# KiCad board sample013-sdi-mipi-video-converter.kicad_pcb (continued)
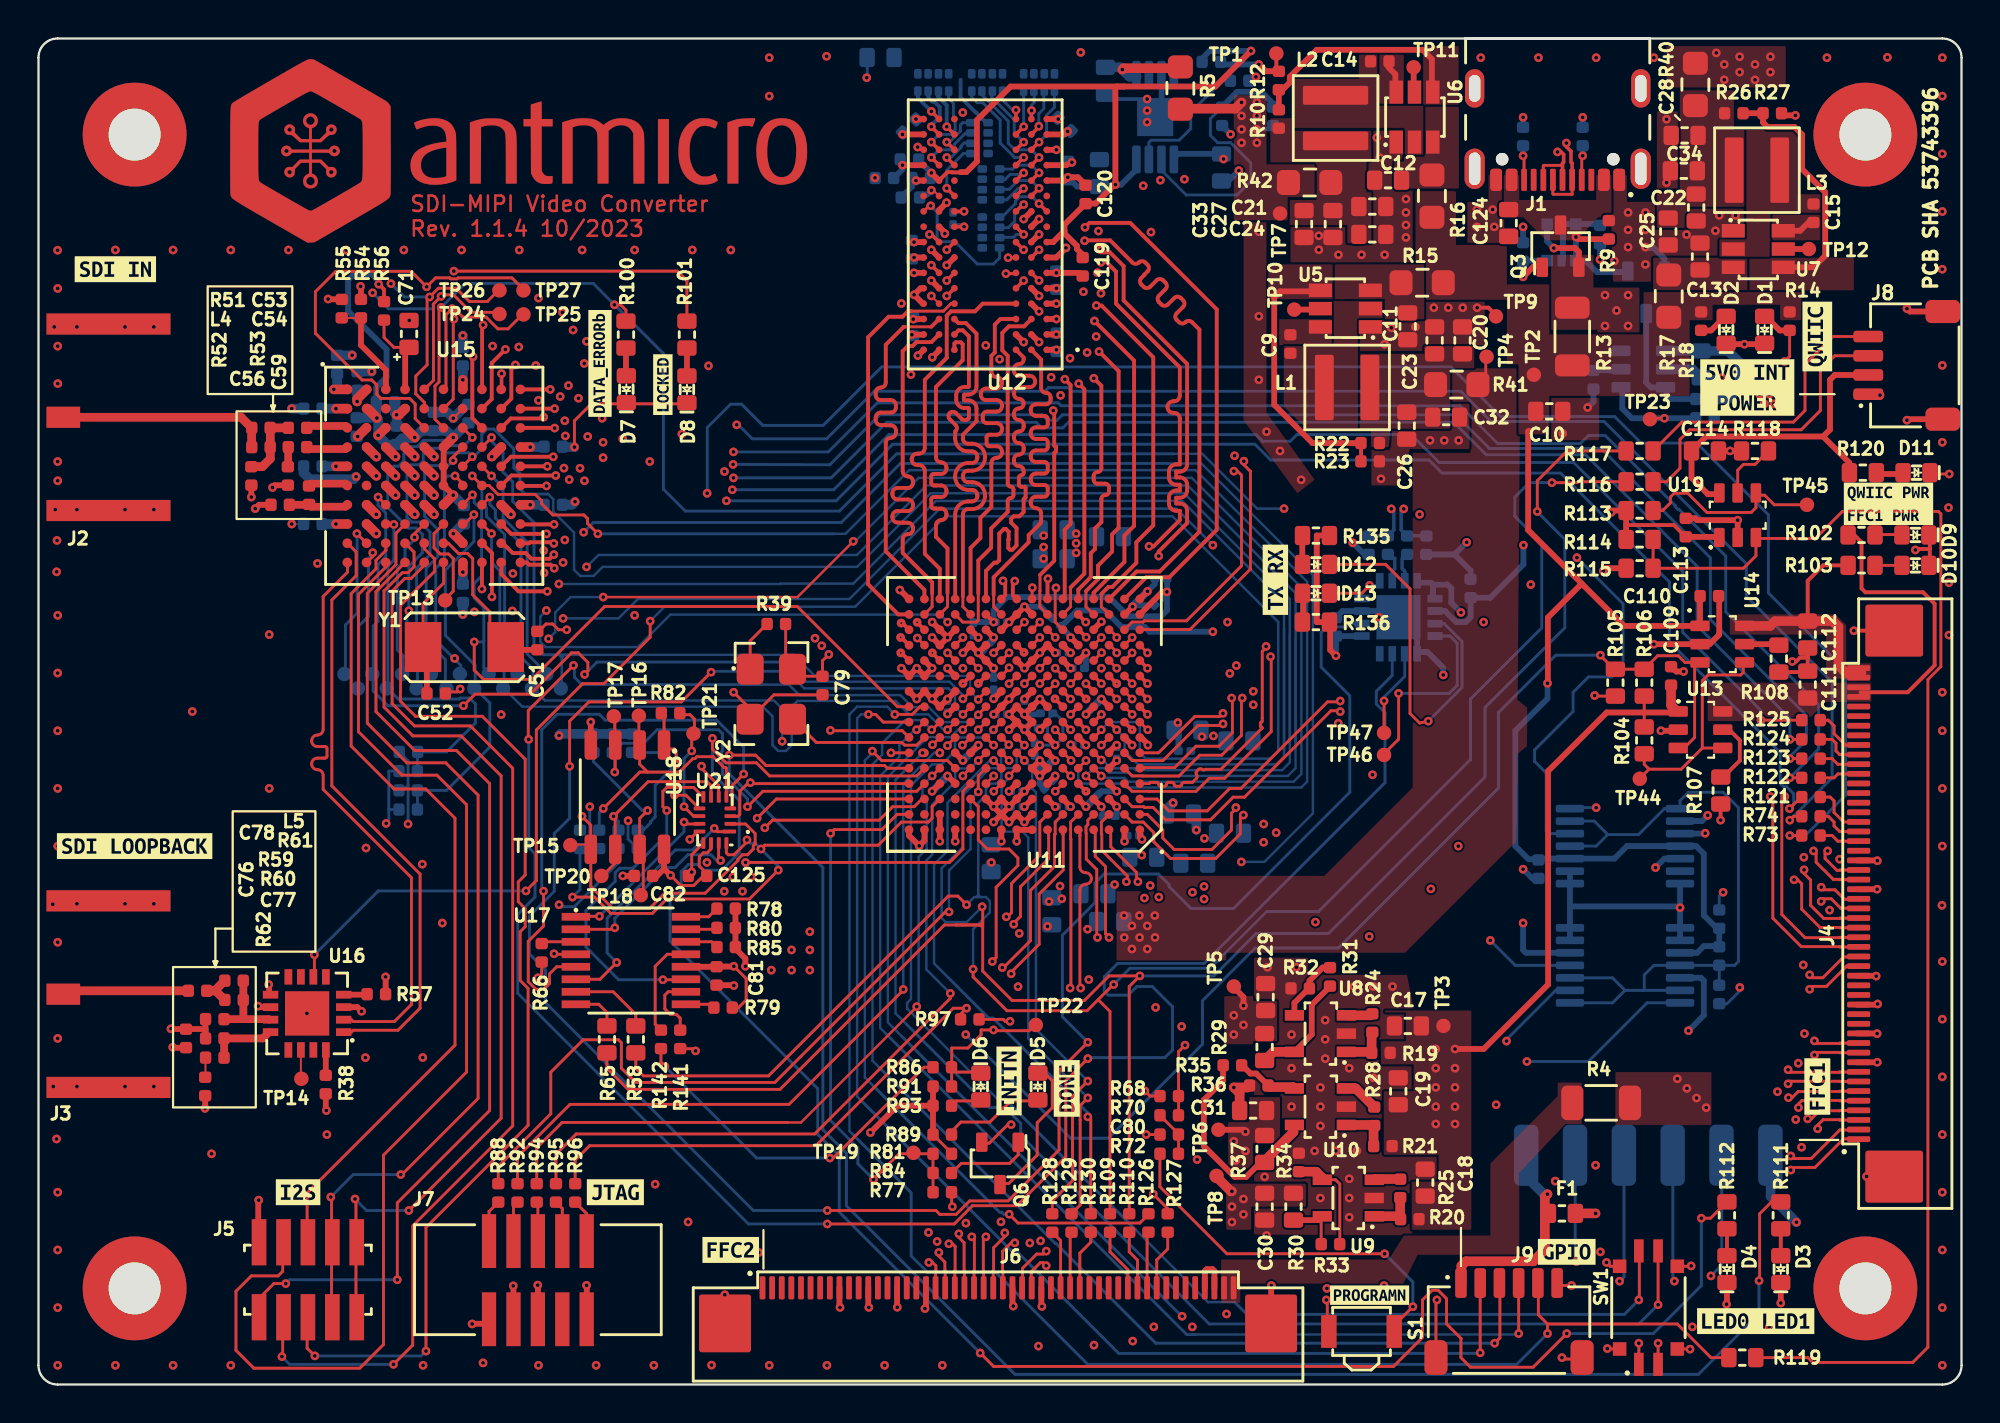
[diagram p0: board, top side]
## Routing (per net, layer and track width the routed paths; a pad name or vN(x,y) marks a point on that pad's centre or on a via; arc(x,y) is an arc through that point) (continued)
  In6.Cu w0.5: v1(56,62.4) 56,54 56.4,53.6 58.4,53.6 58.9,53.1 58.9,41.44
  Bottom w0.3: v1(63.05,69.35) 60.9,69.35 60.5,68.96 60.5,68.78 ; v1(56,62.4) 56.3,62.4 57.1,63.21 57.1,63.51 ; v1(58.68,41.22) 58.68,40.26 58.37,39.95 56.67,39.95 55.67,40.95 50.37,40.95 49.67,40.25 v1(49.67,39.65) 48.65,39.65 ; v1(58.68,41.22) 58.5,41.04 ; v1(58.68,41.22) 58.69,41.23 58.69,41.85 ; 45.78,63.67 v1(46.43,63.01) 46.43,62.8
Vtt: length 73.4
  In2.Cu w0.15: v1(86.8,29.6) 86.8,33.2 82.2,37.8 82.2,52.36 84.42,54.58 84.42,61.15 83.85,61.72 82.1,61.72 80.9,62.92 80.9,64.68 80.35,65.23 71.95,65.23 71.94,65.22 69.55,67.6 55.88,67.6 v1(54.2,69.28)
  Bottom w0.2: 47.95,67.85 47.95,66.94 48.74,66.15 48.75,66.15 49.28,65.62
  Bottom w0.3: v1(86.8,29.6) 86.5,29.3 U3.9
Net-(C77-Pad2): length 1
  Top w0.1: 8.69,17 8.69,16
Net-(C80-Pad2): length 2.4
  Top w0.15: 59.28,12 59.28,13 ; 59.28,13.03 58.31,14
Net-(D1-A): length 48.6
  Top w0.15: 91.06,54.82 91.06,53.46 v1(90.8,53.2)
  Top w0.3: 89.76,55.6 90.54,54.82 91.06,54.82
  In2.Cu w0.15: 85.36,24.86 86.06,24.86 88.6,27.4 88.6,43.2 87.43,44.37 87.43,51.61 88.19,52.37 89.97,52.37 v1(90.8,53.2)
  Bottom w0.3: 79.64,24.86 85.36,24.86 ; 79.64,24.86 79.64,26.7 ; 79.64,24.86 79.64,23.1 ; 85.36,24.86 v1(85.36,24.8) 85.36,23.1 ; 85.36,24.86 U3.14
Net-(D2-A): length 1.6
  Top w0.3: 86.46,54.82 86.97,54.82 87.76,55.6
Net-(D3-A): length 1.4
  Top w0.2: 90.6,6.75 R111.1
Net-(D4-A): length 1.4
  Top w0.2: 87.8,6.75 R112.1
Net-(D5-A): length 5.1
  Top w0.15: 51.97,14.75 50.57,14.75 49.47,13.65 47.97,13.65 47.48,13.17
Net-(D5-C): length 7.4
  Top w0.15: 52.27,16.25 52.72,15.8 52.72,14.4 51.94,13.62 51.94,11.94 50.45,10.45 50,10.45
Net-(D6-A): length 1.6
  Top w0.15: 49,14.75 47.73,14.75 47.48,14.5
Net-(D7-A): length 1.4
  Top w0.3: R100.1 30.55,52.53
Net-(D8-A): length 1.4
  Top w0.3: R101.1 33.72,52.5
Net-(D9-A): length 1.4
  Top w0.15: 96.85,44.2 95.52,44.2 R102.1
Net-(D10-A): length 1.3
  Top w0.15: R103.1 96.85,42.6
Net-(D11-A): length 1.4
  Top w0.3: 96.91,47.35 95.64,47.35 R120.1
Net-(D12-A): length 1.5
  Top w0.3: 65.72,42.65 65.72,44.1
Net-(D12-C): length 19.3
  Top w0.15: 67.22,42.65 70.05,42.65 71.32,41.38 71.32,34.9 71.82,34.4 v1(72.27,34.5)
  Bottom w0.15: 72.52,39.58 73.1,39.58 74.02,38.65 74.02,36.25 72.17,34.4 v1(72.27,34.5)
Net-(D13-A): length 1.5
  Top w0.3: 65.77,39.65 65.77,41.1
Net-(D13-C): length 2.8
  Top w0.15: v1(69.22,41.56) 68.81,41.15 67.22,41.15
  Bottom w0.15: 69.75,41.7 69.6,41.56 v1(69.22,41.56)
Net-(J1-CC_{1}): length 1.8
  Top w0.15: 80.25,62.65 80.25,63.85 v1(80.3,63.9)
  Bottom w0.3: v1(80.3,63.9) 80.3,64.42
Net-(J1-CC_{2}): length 1.8
  Top w0.15: 77.25,62.65 77.25,63.85 v1(77.2,63.9)
  Bottom w0.3: v1(77.2,63.9) 77.2,64.42
Net-(J4-Pad32): length 2
  Top w0.15: 94.57,28.26 93.56,28.26 93.27,28.55 92.66,28.55
Net-(J4-Pad33): length 2.4
  Top w0.15: 94.57,28.76 93.66,28.76 93.37,29.05 93.37,29.25 93.07,29.55 92.66,29.55
Net-(J4-Pad34): length 2.8
  Top w0.15: 94.57,29.26 93.87,29.26 93.37,29.75 93.37,30.35 93.17,30.55 92.66,30.55
Net-(J4-Pad39): length 2
  Top w0.15: 94.57,31.76 93.57,31.76 93.37,31.55 92.66,31.55
Net-(J4-Pad40): length 2
  Top w0.15: 94.57,32.26 93.57,32.26 93.57,32.25 93.27,32.55 92.66,32.55
Net-(J4-Pad41): length 2.5
  Top w0.15: 92.66,33.55 93.27,33.55 93.47,33.35 93.47,32.95 93.66,32.76 94.57,32.76
Net-(J4-Pad42): length 2.7
  Top w0.15: 92.66,34.55 93.07,34.55 93.37,34.25 93.37,33.85 93.97,33.26 94.57,33.26
Net-(J6-Pad32): length 3.1
  Top w0.15: 53.15,5.03 53.15,7.48 52.72,7.92
Net-(J6-Pad33): length 2.8
  Top w0.15: 53.65,5.03 53.65,7.84
Net-(J6-Pad34): length 3.1
  Top w0.15: 54.15,5.03 54.15,6.83 54.72,7.4 54.72,7.92
Net-(J6-Pad39): length 3.3
  Top w0.15: 56.65,5.03 56.65,5.97 55.72,6.9 55.72,7.92
Net-(J6-Pad40): length 3.1
  Top w0.15: 57.15,5.03 57.15,6.47 56.72,6.9 56.72,7.92
Net-(J6-Pad41): length 2.8
  Top w0.15: 57.65,5.03 57.65,7.84
Net-(J6-Pad42): length 3.1
  Top w0.15: 58.15,5.03 58.15,6.48 58.72,7.05 58.72,7.92
Net-(J7-Pad2): length 2.5
  Top w0.15: 23.43,7.23 23.43,9 23.91,9.48
Net-(J7-Pad4): length 2
  Top w0.15: 24.7,7.23 24.7,9.27
Net-(J7-Pad6): length 2.2
  Top w0.15: 25.97,7.23 25.97,9.42
Net-(J7-Pad8): length 2.4
  Top w0.15: 26.91,9.48 27.24,9.15 27.24,7.23
Net-(J7-Pad10): length 2.5
  Top w0.15: 27.91,9.48 28.51,8.88 28.51,7.23
Net-(J8-Pad3): length 15.4
  Top w0.15: 94.5,53.5 93.41,53.5 92.66,52.75 92.66,50.65 91.66,49.65 85.86,49.65 85.36,49.15 85.36,47.65 84.66,46.95 R116.2
Net-(J8-Pad4): length 14.4
  Top w0.15: 94.5,54.5 93.31,54.5 91.86,53.05 91.86,50.65 91.26,50.05 85.46,50.05 R117.2
Net-(Q1-D): length 6.8
  Bottom w0.3: 86.18,51.25 84.86,51.25 84.66,51.45 84.66,51.85 83.86,51.85 83.6,52.11 83.6,55.75
Net-(Q2-Pad2): length 7.7
  Bottom w0.15: 79.95,60.35 79.2,60.35 79.2,58.45 ; 81.2,60.29 80.01,60.29
  Bottom w0.3: 79.2,58.45 79.28,58.53 79.28,60.28 79.2,60.35 81.13,60.35
Net-(Q3-G): length 3.3
  Top w0.3: v1(77.2,57.6) 77.75,58.15 78.2,58.15
  Bottom w0.3: 77.2,58.42 v1(77.2,57.6) ; 78.45,58.45 77.23,58.45
Net-(Q6-G): length 4.5
  Top w0.15: 50.95,12.55 50.95,11.95 50.5,11.5 47.98,11.5 47.48,11
Net-(R72-Pad2): length 19.7
  Top w0.15: v1(71.47,4.05) 70.42,3 ; v1(70,6.8) 61.8,6.8 58.31,10.29 58.31,12
  Bottom w0.15: v1(71.47,4.05) 71.47,5.33 v1(70,6.8)
Net-(U1-DDQ): length 4.9
  Top w0.5: v1(56.36,68.38) 56.43,68.45 59.4,68.45
  Bottom w0.5: 57.1,68.01 56.73,68.01 v1(56.36,68.38) 56.24,68.5 C5.2
Net-(U1-REF): length 14.2
  Bottom w0.15: 58.41,63.14 59.69,61.86 62.32,61.86 63.04,62.58 63.04,63.53 61.99,64.58 61.32,64.58 60.94,64.96 60.94,65.83 61.54,66.44
  Bottom w0.3: 64.2,66.44 64.2,66.61 63.59,67.23 62.33,67.23 61.55,66.44
Net-(U1-V_{TT_EN}): length 6.9
  Bottom w0.15: 61.97,67.8 61.56,67.8 59.92,66.16 59.92,65.31 59.32,64.71 57.86,64.71 57.74,64.59 U1.7
Net-(U4-ILIM): length 1.4
  Bottom w0.3: 80.86,52.73 82.29,52.73
Net-(U5-EN): length 2.8
  Top w0.1: 66.66,55.9 65.26,55.9
  Top w0.3: 65.26,55.9 66.66,55.9
Net-(U5-FB): length 14.4
  Top w0.2: R22.1 68.78,48.96 68.78,48.02 R23.2
  Top w0.3: R22.1 66.25,48.96 64.26,50.95 64.26,56.55 64.56,56.85 66.66,56.85
Net-(U6-BST): length 1.5
  Top w0.3: 70.56,67.2 70.56,68.14 70.19,68.5
Net-(U6-EN): length 1.4
  Top w0.3: 71.51,67.2 71.51,68.55
Net-(U6-FB): length 12
  Top w0.3: 64.5,66.3 64.5,67.33 64.69,67.33 65.07,67.71 65.07,68.01 66.47,69.41 71.97,69.41 72.46,68.92 72.46,67.2
Net-(U7-BST): length 1.5
  Top w0.3: 90.76,60 91.61,60 92.06,60.45
Net-(U7-EN): length 1.4
  Top w0.3: 90.76,59.05 92.11,59.05
Net-(U7-FB): length 13
  Top w0.3: 90.76,58.1 92.31,58.1 92.91,58.7 92.91,62 91.71,63.2 91.71,65 91.31,65.4 89.91,65.4 89.68,65.64 89.68,66.11 88.65,66.11
Net-(U8-ADJ): length 3.5
  Top w0.3: 65.31,19.2 65.31,19.85 66.06,20.6 ; 66.09,20.6 66.09,21 66.78,21.69 67.16,21.69
Net-(U8-EN): length 1.4
  Top w0.5: 68.01,19.2 69.28,19.2 69.36,19.29
Net-(U8-V_{IN}): length 2.4
  Top w0.5: 69.32,18.28 69.32,17.25 69.28,17.3 68.01,17.3
Net-(U8-V_{OUT}): length 5.9
  Top w0.3: 67.16,20.7 66.21,19.75 66.21,18.2 65.31,17.3
  Top w0.5: R29.1 64.21,17.3 65.31,17.3
Net-(U9-ADJ): length 5.6
  Top w0.15: U9.4 67.45,10.65 67.67,10.43 67.67,7.3
  Top w0.5: R34.2 66.44,11.07 66.76,10.75 U9.4
Net-(U9-EN): length 1.4
  Top w0.5: 70.81,10.69 69.5,10.69 69.46,10.65
Net-(U9-V_{IN}): length 2.5
  Top w0.5: 69.46,8.75 70.68,8.75 70.82,8.6 ; 70.81,9.72 70.81,8.62
Net-(U9-V_{OUT}): length 3
  Top w0.15: 66.7,7.3 66.7,8.69
  Top w0.3: U9.5 66.56,8.55 R30.1
Net-(U10-ADJ): length 3.1
  Top w0.3: 63.94,15.55 63.32,16.17 63.03,16.17 62.6,16.6
  Top w0.5: 64.01,15.47 65.25,15.47 65.31,15.4
Net-(U10-EN): length 1.8
  Top w0.5: 69.46,14.44 68.5,15.4 68.01,15.4
Net-(U10-V_{IN}): length 2.4
  Top w0.5: 69.43,12.4 69.43,13.43 ; 68.01,13.5 69.43,13.5
Net-(U10-V_{OUT}): length 10.9
  Top w0.3: 63.55,11.55 62.8,10.8 62.2,10.8 60.6,12.4 60.6,14.8 61.6,15.8 61.6,16.6
  Top w0.5: R37.1 63.76,11.63 65.26,13.13 65.26,13.25
Net-(U12A-ZQ): length 1.3
  Top w0.1: U12.L8 46.53,62.11 v1(46.43,62.11)
  Bottom w0.3: 45.83,61.73 45.98,61.89 46.21,61.89 v1(46.43,62.11)
Net-(U13-ILIM): length 3.1
  Top w0.2: 87.92,34.05 88.47,33.5 88.47,32.45 87.57,31.55
Net-(U13-~{FAULT}): length 12.1
  Top w0.15: 83.75,32 85.42,32 86.52,33.1 ; 83.75,32 83.3,31.55 ; 83.75,32 83.5,32.25 R104.2 ; 87.52,33.1 86.52,33.1 ; 86.52,33.1 86.52,36.6 86.82,36.9 88.52,36.9 88.65,37.03 88.65,37.55
Net-(U14-ILIM): length 1.8
  Top w0.3: 88.65,38.5 90.45,38.5
Net-(U15B-LB_CONT): length 5.3
  Top w0.1: 16.77,55.47 15.77,55.47
  Top w0.3: 18.07,51.75 18.07,52.75 16.77,54.05 16.77,55.47
Net-(U15B-LF): length 1.4
  Top w0.5: v1(16.57,51.12) 16.57,51.25 17.07,51.75
  Bottom w0.5: v1(16.57,51.12) 16.57,51.69
Net-(U15B-VBG): length 1.6
  Top w0.5: 16.07,51.75 v1(15.36,51.75)
  Bottom w0.5: v1(15.36,51.75) 15.53,51.92 15.53,52.56
Net-(U15B-XTAL_OUT): length 5
  Top w0.15: 21.07,44.75 20.57,44.25 20.57,43.51 20.89,43.19 21.33,43.19 21.57,42.95 21.57,41.26 21.15,40.84
Net-(U15C-VCO_{VDD}): length 4.7
  Top w0.15: 17.97,55.35 17.97,54.45 18.48,53.94 C71.1
  Top w0.3: C71.1 19.07,53.73 19.07,51.75
Net-(U16-RSET): length 1.1
  Top w0.3: 15.94,20.28 17.06,20.28
Net-(U16-~{EQ_EN}): length 1.2
  Top w0.3: 14.94,16.09 14.94,17.32
Net-(U16-~{OSP}): length 1.3
  Top w0.1: 13.64,17.33 13.64,15.98
Net-(U17-A0): length 1.8
  Top w0.15: 33.58,23.03 35,23.03 35.28,22.75
Net-(U17-A1): length 1.6
  Top w0.15: 33.58,23.68 35.2,23.68
Net-(U17-A2): length 1.9
  Top w0.15: 33.58,24.33 34.85,24.33 35.28,24.75
Net-(U17-GPIO2/~{SS2}): length 3.4
  Top w0.15: 33.58,20.43 32.75,20.43 32.57,20.25 32.57,19.54 32.86,19.25 33.17,19.25 33.37,19.05 33.37,18.44
Net-(U17-GPIO3/~{SS3}): length 5.2
  Top w0.15: 32.37,18.44 32.07,18.73 32.07,21.75 32.69,22.38 33.58,22.38
Net-(U17-SCL): length 2.7
  Top w0.15: 29.56,18.44 29.56,19.35 29.14,19.78 27.94,19.78
Net-(U17-SDA): length 4.2
  Top w0.15: 27.94,20.43 29.89,20.43 31.06,19.25 R58.1
Net-(U17-~{INT}): length 1.4
  Top w0.15: 34.94,19.78 33.58,19.78
Net-(U17-~{RESET}): length 1.7
  Top w0.15: 26.26,23.03 27.94,23.03
Net-(U18-SCLK): length 10.7
  Top w0.15: 29.32,26.45 29.99,27.12 29.99,29.46 v1(29.9,29.55) 31.7,31.35 34.77,31.35 34.97,31.15 34.97,30.55
  Bottom w0.15: v1(29.9,29.55) 30.16,29.29 30.16,28.84
Net-(U18-SI/IO0): length 18.2
  Top w0.1: 27.73,28.07 28.73,28.07
  Top w0.15: 35.97,29.15 36.77,29.15 37.27,28.65 37.27,28.12 37.17,28.02 37.17,27.85 36.87,27.55 36.6,27.55 36.37,27.32 36.37,27.25 34.67,25.55 32.57,25.55 31.77,24.75 29.87,24.75 28.72,25.9 28.72,29.09 v1(28.26,29.55)
  Bottom w0.15: 28.16,28.84 28.16,29.45 v1(28.26,29.55)
Net-(U18-SO/IO1): length 13.5
  Top w0.15: 31.67,31.85 33.33,31.85 34.03,32.55 34.14,32.55 34.24,32.65 35.08,32.65 35.65,32.08 35.74,32.08 35.77,32.05 35.77,30.55 ; 31.67,31.85 31.27,31.85 v1(29.37,29.95) ; 31.67,31.85 31.26,32.26 31.26,33.01 ; 31.22,34.75 31.22,33.05
  Bottom w0.15: 29.16,28.84 29.16,29.74 v1(29.37,29.95)
Net-(U18-~{CS}): length 10
  Top w0.15: 32.57,33.05 33.06,33.05 33.16,32.95 v1(33.16,32.25) ; 32.53,33.01 32.53,34.69
  Bottom w0.15: 31.16,28.84 31.45,28.84 31.84,29.22 31.84,29.28 32.07,29.52 32.07,31.16 v1(33.16,32.25) 32.55,32.87 30.86,32.87
Net-(U19-ILIM): length 3.3
  Top w0.15: 88.36,46.3 88.36,47.55 88.66,47.85 89.26,47.85 R118.2
Net-(U20-CBUS0): length 10.3
  Top w0.15: 69.97,32.8 70.73,33.56 v1(70.73,35.94)
  Bottom w0.15: 72.52,38.93 73.4,38.93 73.77,38.55 73.77,36.35 73.36,35.94 v1(70.73,35.94)
Net-(U20-CBUS3): length 4.6
  Top w0.15: 69.97,33.95 v1(69.97,35.55)
  Bottom w0.15: v1(69.97,35.55) 69.97,35.75 71.04,36.83 71.04,38.1
Net-(U21-D4): length 6.4
  Top w0.15: v1(33.97,32.95) 33.97,33.71 ; 33.36,34.83 33.88,34.83 34.11,34.6 34.11,33.85 ; 34.37,29.55 34.07,29.55 v1(33.57,30.05)
  Bottom w0.15: v1(33.57,30.05) 33.57,32.55 v1(33.97,32.95)
Net-(Y2-EN): length 2.7
  Top w0.15: 37.89,39.55 37.01,38.68 37.01,37.17

## Copper pours and planes (outline as drawn; the poured copper is in the pictures)
1V0_Clean on Top: 64.41,17.85 63.16,17.85 63.16,17.7 61.66,17.7 61.66,20.2 63.16,20.2 63.16,19.95 64.41,19.95
1V0_Clean on Bottom: 61.36,24.85 55.01,24.85 55.01,26.3 59.86,26.3 59.86,27.7 61.36,27.7
1V0_Clean on In6.Cu: 61.01,22.75 63.16,20.6 63.16,17.75 61.71,17.75 58.66,20.8 58.66,24.85 54.21,24.85 54.21,26.5 61.01,26.5
1V0_Power on Top: 76.92,35.6 77.42,35.2 77.4,33.2 76.92,32.8 76.86,28.25 71.06,22.45 61.76,22.45 61.76,22.05 56.06,22.05 56.06,25.65 58.16,25.65 58.16,26.45 66.86,26.45 71.46,31.05 71.46,48.45 74.46,48.45 74.46,51.05 73.46,51.05 73.46,52.85 77.06,52.84
1V0_Power on In6.Cu: 52.35,33.76 51.77,33.76 51.77,32.86 52.59,32.86 52.59,32.16 53.34,32.16 53.34,31.36 52.51,31.36 51.92,31.35 50.97,30.4 50.97,29.75 51.92,29.75 51.92,24.75 58.46,24.75 58.46,21.61 48.91,21.61 48.91,35.29 50.09,35.29 50.09,35.96 50.84,35.96 50.84,35.31 52.35,35.31
+1V2 on Top: 65.91,9.25 63.06,9.25 63.06,8.05 61.76,8.05 61.76,10.45 65.91,10.45
+1V2 on Bottom: 41.96,22 39.56,19.6 33.46,25.7 35.86,28.1
+1V2 on Bottom: 29.76,45.85 16.11,45.85 16.11,51.55 29.76,51.55
+1V2 on In6.Cu: 68.31,8.05 63.01,8.05 63.01,8 51.51,8 37.66,21.55 40.11,24 53.11,10.95 61.36,10.95 61.36,11 65.66,11 65.66,38.05 60.86,38.05 60.86,39.35 68.31,39.35
+1V2 on In6.Cu: 29.86,38.95 26.09,34.45 26.09,25.85 32.96,25.85 35.56,28.45 37.76,26.21 34.16,22.56 21.96,22.65 21.96,34.45 26.54,39.05 26.59,52.6 29.76,52.6
+1V5 on Top: 66.36,61.75 64.96,61.75 64.96,60.55 62.16,60.55 62.16,67.05 63.86,67.05 63.86,63.45 66.36,63.45
+1V5 on In6.Cu: 58.41,40.05 58.42,36.8 54.02,36.8 54.02,37.7 53.37,37.7 53.37,38.55 55.97,38.55 55.96,40.05 55.96,52.15 55.58,52.15 55.58,53.6 58.39,53.6
+1V5 on In6.Cu: 56.29,44.75 49.09,44.75 49.09,40.16 50.09,39.16 50.09,38.16 45.75,38.15 45.75,41.35 44.7,42.65 44.7,46.25 41.75,49.15 41.75,52.21 41.97,52.21 41.97,69.8 55.97,69.8 55.97,67.08 63.86,67.08 63.87,64.18 55.97,64.18 55.97,52.15 56.29,52.15
+1V8 on Top: 64.56,12.55 63.16,12.55 63.16,11.25 61.86,11.25 61.86,13.65 62.96,13.65 62.96,14.95 64.56,14.95
+1V8 on Bottom: 63.47,32.85 62.67,32.85 62.67,36.05 61.71,36.05 61.71,39.55 59.07,42.25 55.76,42.25 55.76,44.95 58.67,44.95 63.47,40.15
+1V8 on Bottom: 64.96,27.7 62.16,27.7 62.16,29.55 64.96,29.55
+1V8 on In6.Cu: 65.51,15.86 63.26,13.86 63.26,11.27 61.51,11.27 61.51,15.96 63.36,17.81 63.36,32.15 61.57,32.15 61.57,37.75 65.57,37.75
+3V3 on Top: 71.11,17.85 71.11,19.35 70.01,19.35 70.01,19.45 74.51,19.45 74.51,8.05 71.41,8.05 71.41,10.55 72.81,10.55 72.81,11.95 69.96,11.95 69.96,15.25 71.51,15.25 71.51,16.65 69.81,16.65 69.81,17.85
+3V3 on Top: 90.86,67.45 84.66,67.45 84.66,69.85 90.86,69.85
+3V3 on Bottom: 55.97,37.93 55.99,35.38 55.01,35.41 54.96,32.55 53.14,32.55 53.13,34.64 50.8,36.56 39.48,36.55 39.48,39.76 42.46,39.76 42.46,38.62 48.45,38.64 48.81,38.25 55.06,38.25
+3V3 on In6.Cu: 58.81,36.7 58.81,34.84 55.12,34.82 53.82,33.1 53.36,33.1 53.36,33.65 53.71,33.65 53.9,34.15 53.9,36.7
+3V3 on In6.Cu: 104.97,-2.35 -2.53,-2.35 -2.53,72.65 104.97,72.65
+5V on Top: 72.16,56.41 72.16,58.41 71.61,58.41 71.61,62.06 73.71,62.06 73.71,59.26 76.36,59.26 76.36,57.21 78.56,57.21 78.56,54.61 83.46,54.61 83.46,56.81 91.66,56.81 91.66,55.35 90.56,55.35 90.56,56.15 87.06,56.15 87.06,55.35 85.86,55.35 85.86,51.41 78.56,51.41 78.56,49.41 76.96,49.41 76.96,53.05 76.36,53.05 76.36,56.41
/FPGA Power/VCC_ADPHY on Bottom: 61.71,27.9 59.51,27.9 59.51,29.5 61.71,29.5
/FPGA Power/VCC_ADPHY on In6.Cu: 56.34,31.61 58.99,31.61 60.91,31.6 60.93,29.26 60.93,27.91 59.51,27.9 59.51,28.7 55.61,28.7 55.61,30.54 52.42,30.52 52.08,30.52 51.62,30.18 51.42,29.85 51.32,29.8 51.17,29.8 51.07,29.9 51.02,30 51.02,30.1 51.18,30.36 52.02,31.3 52.45,31.3 53.37,31.3 53.37,32.05 55.76,32.07 55.76,32.77 56.34,32.77
/FPGA Power/VCC_AUX on Bottom: 55.47,42.45 52.96,42.45 52.96,44.95 55.47,44.95
/FPGA Power/VCC_AUX on In6.Cu: 55.91,40.5 54.3,40.5 53.9,40.1 53.9,39.25 53.2,39.25 53.2,37.56 54.02,37.56 54.02,36.7 53.81,34.44 53.57,33.68 53.13,33.67 53.12,32.91 51.82,32.9 51.82,33.7 52.48,33.7 52.48,35.35 50.95,35.35 50.95,36.09 49.95,36.09 49.95,35.35 49.31,35.35 49.31,38.1 50.16,38.1 50.16,39.2 49.34,40 49.34,44.61 55.91,44.6
/FPGA Power/VCC_AUXA on Bottom: 62.36,32.8 59.86,32.8 59.86,34.35 62.36,34.35
/FPGA Power/VCC_AUXA on In6.Cu: 63.21,32.71 56.53,32.71 56.44,32.98 55.8,32.98 54.91,32.77 54.06,32.1 53.3,32.1 53.3,32.16 52.55,32.16 52.55,32.87 53.88,32.89 55.23,34.87 63.2,34.89
/FPGA Power/VCC_DPHY on Bottom: 54.56,24.75 52.01,24.75 52.01,26.25 54.56,26.25
/FPGA Power/VCC_DPHY on In6.Cu: 55.59,28.74 54.12,28.74 54.13,24.8 51.98,24.79 51.97,30.43 55.59,30.43
/FPGA Power/VCC_PLLDPHY on Bottom: 59.81,26.4 58.06,26.4 58.06,28.75 59.81,28.75
/FPGA Power/VCC_PLLDPHY on Bottom: 59.39,29.12 59.39,26.56 54.21,26.55 54.21,30.03 54.94,30.03 54.94,29.12
/Power Supply/1V0_OUT on Top: 72.06,53.6 72.06,54 74.66,54 74.66,52.85 73.41,52.85 73.41,49.7 70.29,49.7 70.22,48.75 69.3,48.75 69.29,49.62 68.66,49.63 68.66,53.6
/Power Supply/1V0_SW on Top: 67.36,54 67.36,56.4 69.91,56.4 69.91,55.4 68.61,55.4 68.61,49.7 65.96,49.7 64.75,50.85 64.76,53.05 64.75,54
/Power Supply/1V5_OUT on Top: 69.31,63.65 69.06,63.65 69.06,62 69.31,62 69.31,59.35 68.06,59.35 68.06,60.3 65.06,60.3 65.06,61.6 66.46,61.6 66.46,63.45 64.06,63.45 64.06,65.85 65.27,65.85 65.27,65.2 69.31,65.2
/Power Supply/1V5_SW on Top: 69.61,66.5 72.01,66.5 72.01,63.95 71.01,63.95 71.01,65.35 65.31,65.35 65.31,67.9 68.66,67.9 68.66,69.25 69.62,69.25
/Power Supply/3V3_OUT on Top: 85.76,61.25 85.76,60.15 84.16,60.15 84.16,61.99 85.35,61.99 85.35,67.3 88.16,67.3 88.16,65.25 88.76,65.25 88.76,61.25
/Power Supply/3V3_SW on Top: 90.06,60.95 90.06,58.65 87.41,58.65 87.41,59.55 88.81,59.55 88.81,65.25 91.46,65.25 91.46,61.9 92.66,61.9 92.66,60.94
/Power Supply/5V_1V0_IN on Top: 72.06,58.25 72.06,55.4 70.01,55.4 70.01,56.45 67.36,56.45 67.36,58.25
/Power Supply/5V_1V5_IN on Top: 73.86,62.2 70.51,62.2 70.51,63.6 71.01,63.6 71.01,63.85 72.06,63.85 72.06,66.45 73.86,66.45
/Power Supply/5V_3V3_IN on Top: 88.86,58.6 88.86,56.9 83.96,56.9 83.96,58.6
/Power Supply/5V_I on Top: 80.86,57.05 83.25,57.05 83.25,54.65 81.06,54.65 81.06,54.85 78.66,54.85 78.66,58.75 80.86,58.75
/Power Supply/5V_I on Bottom: 83.26,53.25 81.06,53.25 81.06,57.05 83.26,57.05
GND on Top: 66.01,22.2 66.01,21.3 71.16,21.3 73.06,11.9 73.06,7.75 63.21,7.8 63.21,22.2
GND on Top: 74.41,48.65 71.31,48.65 70.66,46.75 69.31,46.75 69.31,48.6 70.26,48.6 70.26,49.65 73.46,49.65 73.46,51 74.41,51
GND on Top: 70.96,65.2 70.96,63.65 70.46,63.65 70.46,62.15 71.46,62.15 71.46,58.35 65.11,58.35 65.11,60.24 67.96,60.24 67.96,59.29 69.36,59.29 69.36,62.1 69.11,62.1 69.11,63.6 69.36,63.6 69.36,65.2
GND on Top: 75.4,61.5 74.3,61.5 74.3,59.35 76.85,59.35 76.85,60.15 76.22,60.15 76.2,62.9 75.4,62.9
GND on Top: 85.26,62.2 84.16,62.2 84.16,66.2 85.26,66.2
GND on Top: 81.8,62.9 82.6,62.9 82.6,61.5 84.06,61.5 84.06,60.05 85.88,60.05 85.88,61.15 88.68,61.15 88.68,59.65 87.38,59.65 87.38,58.65 83.86,58.65 83.86,57.35 81.88,57.35 81.8,59.7
GND on Top: 81.16,49.11 78.66,49.11 78.66,51.31 81.16,51.31
GND on Top: 68.66,55.35 72.16,55.35 72.16,56.35 75.21,56.35 75.21,54.05 72.01,54.05 72.01,53.75 68.66,53.75
GND on Top: 63.86,50.55 66.36,47.05 65.46,46.35 62.66,50.15 62.66,60.55 63.86,60.55
GND on Bottom: 89,66 89,57 80.5,57 80.5,59 75.25,59 75.25,55.75 66,55.75 66,69.5 85.5,69.5
GND on Bottom: 74.66,7.7 62.66,7.7 62.66,22.2 74.66,22.2
GND on Bottom: 52.57,42.45 51.27,42.45 51.27,44.95 52.57,44.95
GND on In1.Cu: 104.97,-2.35 -2.53,-2.35 -2.53,72.65 104.97,72.65
GND on In3.Cu: 104.97,-2.34 -2.53,-2.35 -2.53,72.65 104.97,72.66
GND on In5.Cu: 104.97,-2.35 -2.53,-2.35 -2.53,72.65 104.97,72.65
/Peripherals/FFC1_3V3 on Top: 95.3,35.5 92.95,35.5 91.95,34.5 86.8,34.5 86.8,36.5 95.3,36.5
/Peripherals/FFC1_5V on Top: 94,39.5 94,37.5 95.3,37.5 95.3,36.7 92.95,36.7 92.95,39 87.95,39 87.95,40.05 93.45,40.05
/Power Supply/FFC2_5V_1 on Top: 87,13.5 82,13.5 82,16.25 87,16.25
/Power Supply/FFC2_5V_1 on Bottom: 90.75,50.75 87.75,50.75 87.75,49.75 86.75,49.75 86.75,51.75 87.5,51.75 88,52.25 88,52.75 90.75,52.75
/Power Supply/FFC2_5V_1 on In2.Cu: 91,13.9 82,13.9 82,16.25 89,16.25 89,45 88,46 88,52 91,52
FFC2_5V on Top: 80.25,15.7 80.25,13.55 79.4,13.55 77,11 77,6.75 71.72,6.75 70.97,5.25 62.5,5.25 62.5,4.25 61.5,4.25 61.5,6.5 70.22,6.5 71,7.75 75.5,7.75 75.5,11.5 79,15 79,15.71
USB_POWER_IN on Top: 77,61.6 81,61.6 81,62.9 81.8,62.9 81.8,60.7 81.1,60.7 80,59.5 78.4,59.5 77.2,60.7 76.2,60.7 76.2,62.9 77,62.9
Vtt on Bottom: 59.36,68.53 54.61,68.47 54.6,66.9 56.65,66.9 56.62,62.89 54.57,62.84 54.6,64.85 53.2,66.45 53.2,67.7 48.28,67.7 48.4,67.09 49.35,66.04 49.7,65.9 49.7,63.8 49.45,63.55 49.45,58.7 48.8,58.7 48.7,65.73 47.75,66.75 47.75,67.7 44.05,67.7 44.05,69.85 59.35,69.85
Net-(U5-BST) on Top: 67.3,54.05 64.5,54.05 64.5,55.4 67.3,55.4
Net-(U5-FB) on Top: 67.3,56.45 63.95,56.45 63.95,58.25 67.3,58.25
Net-(U6-BST) on Top: 71,66.6 69.7,66.6 69.7,69.25 71,69.25
Net-(U6-FB) on Top: 73.85,66.55 72,66.55 72,69.9 73.85,69.9
Net-(U7-BST) on Top: 92.65,59.5 90.1,59.5 90.1,60.9 92.65,60.9
Net-(U7-FB) on Top: 94.4,56.9 88.95,56.9 88.95,58.6 94.4,58.6

## Text on the board
Top: SDI-MIPI Video Converter / Rev. 1.1.4 10/2023
F.Mask: SDI-MIPI Video Converter / Rev. 1.1.4 10/2023
F.Silkscreen: PCB SHA 53743396
